# Altium PCB BASE_V1_1.PcbDoc (part 2 of 2)
Units mm, origin at the board's own origin, x right, y up, seen from the top; angles counter-clockwise.
Board outline 93.01 x 71.01 mm, 2 copper layers (Top Layer, Bottom Layer); 138 components, 109 nets, 541 pads, 233 vias.
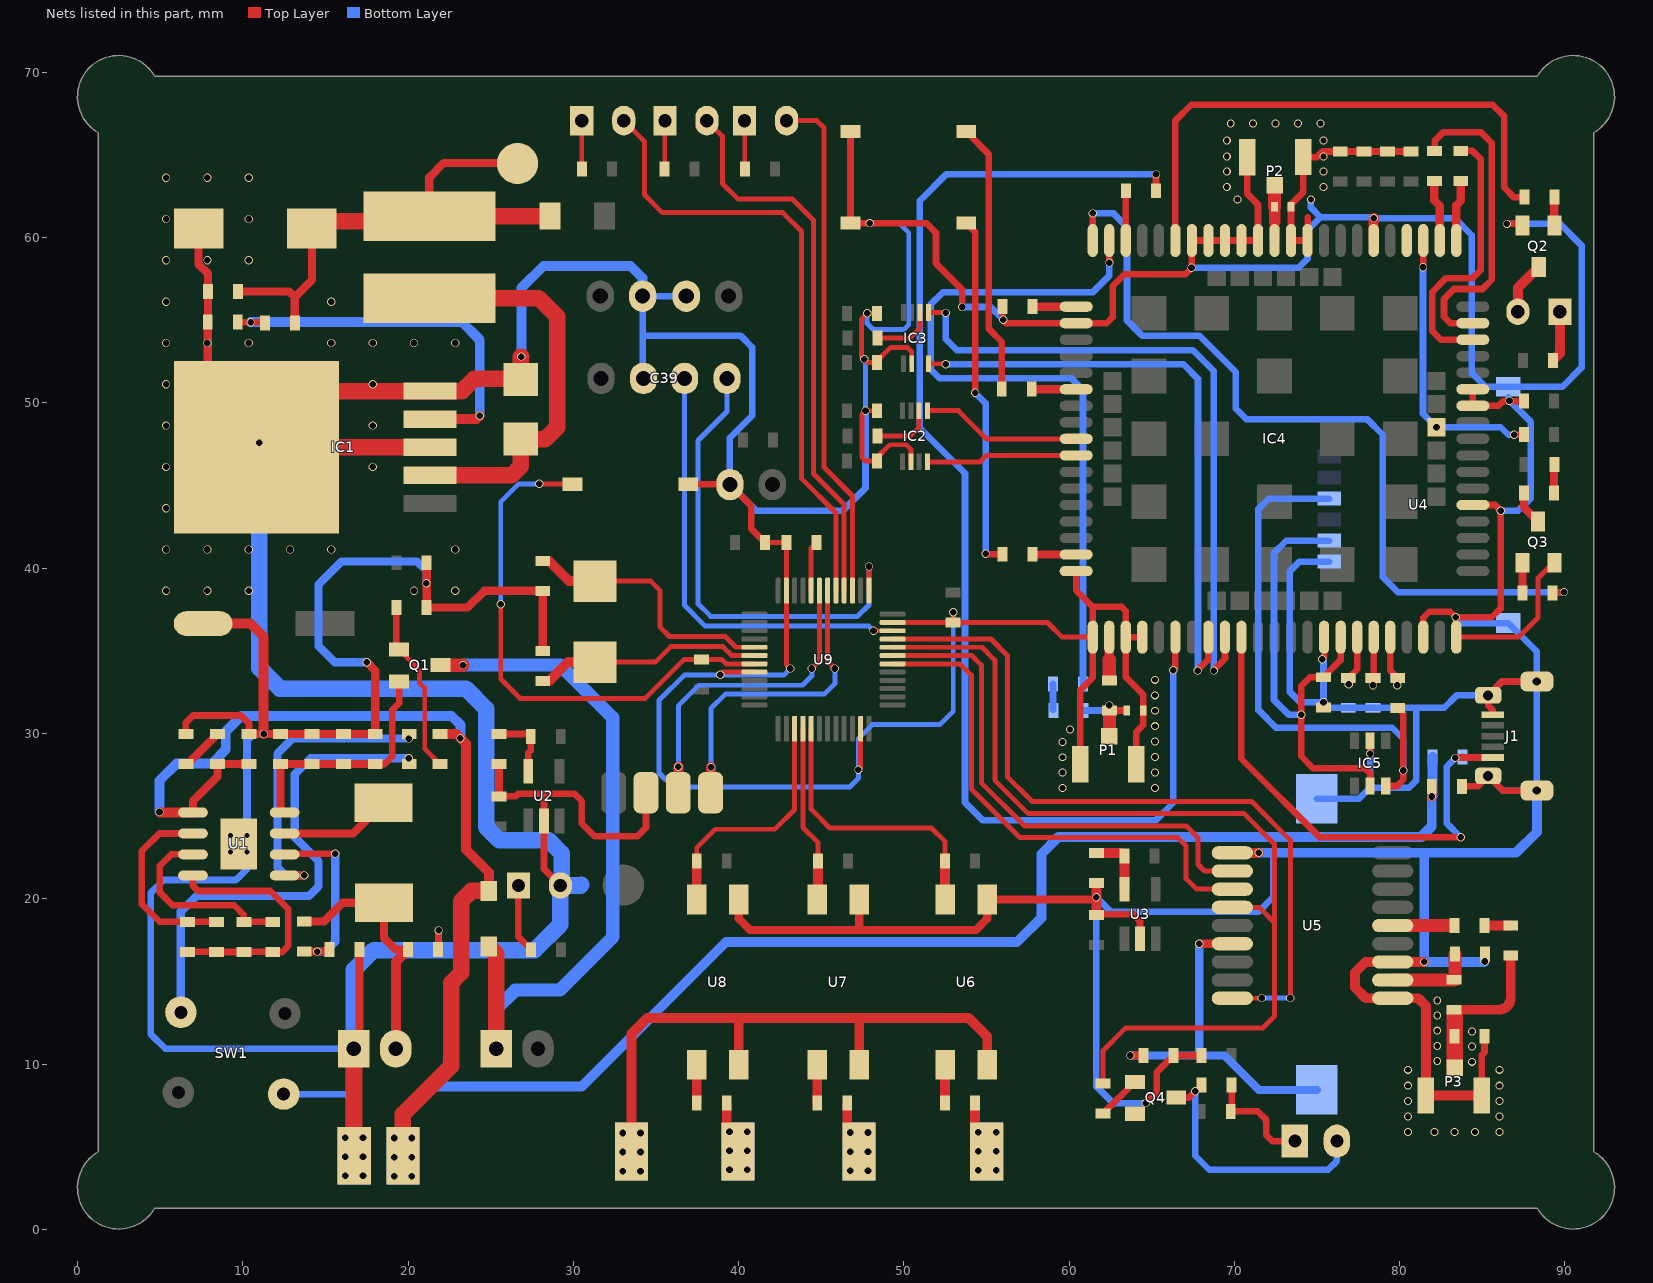
[diagram p2: the nets of this part, all layers, seen from the top]

## Via types
v1: diameter 0.5, hole 0.4, Top Layer to Bottom Layer, 173 vias
v2: diameter 0.483, hole 0.356, Top Layer to Bottom Layer, 49 vias
v3: diameter 3, hole 2.6, Top Layer to Bottom Layer, 4 vias
v4: diameter 0.61, hole 0.305, Top Layer to Bottom Layer, tented both sides, 4 vias
v5: diameter 0.8, hole 0.6, Top Layer to Bottom Layer, 1 vias
v6: diameter 1.5, hole 1.5, Top Layer to Bottom Layer, 1 vias
v7: diameter 1.3, hole 1.3, Top Layer to Bottom Layer, 1 vias

## Nets (pads, with @x,y where several pads share a name; then routed paths per layer and width w, separated by ;. In a path a pad name is that pad's centre, name@x,y a point inside that pad or via, vN(x,y) a via of type N, cw(c..) or ccw(c..) an arc to the next point about the centre after c; other vN are vias at no path point) (continued)
GND: BT1.2 C1.2 C2.2 C3.2 C4.2 C5.2 C6.2 C7.1 C8.1 C9.1 C10.1 C11.1 C12.1 C13.2 C14.2 C15.2 C16.2 C17.1 C18.1 C19.1 C20.1 C21.1 C23.1 C24.1 C25.1 C26.1 C27.1 C28.1 C29.1 C30.1 C31.1 C32.1 C33.1 C34.1 C35.1 C36.1 C37.1 C38.1 C39.3 C40.2 C41.1 C42.2 D6.2@29.21,20.803 D7.1 D8.2 D9.2 IC1.3 IC1.5 IC1.6 IC2.2 IC3.2 IC4.2 IC4.17 IC4.18 IC4.29 IC4.39 IC4.45 IC4.46 IC4.54 IC4.58 IC4.59 IC4.61 IC4.62 IC4.63 IC4.64 IC4.65 IC4.89 IC4.91 IC4.92 IC4.94 IC5.2 J1.5 JP2.1 P1.2 P1.3 P2.2 P2.3 P3.2 P3.3 pad.2@16.739,4.445 pad.3@34.392,26.416 Q2.2 Q3.2 Q4.2 R4.1 R8.1 R13.1 R38.2 S1.1 S2.1 S3.1 S4.1 SW1.2 U1.9 U2.2 U3.2 U4.5 U4.8 U5.1 U5.10 U5.12 U6.3 U7.3 U8.3 U9.8 U9.23 U9.35 U9.47 | length 768
  Top Layer w0.3: v1(38.887,33.553) 39.052,33.718 U9.8@40.956,33.718 ; C37.1@41.592,41.555 R38.2@42.888,41.554 42.886,41.552 U9.47@42.886,38.648 42.886,34.178 v1(43.129,33.934) ; v1(47.244,27.813) 47.386,27.955 U9.23@47.386,30.288 ; C17.1@48.374,49.53 v1(47.676,49.53) 47.473,49.327 47.473,46.685 47.676,46.482 C18.1@48.374,46.482 48.374,46.698 49.149,47.473 50.14,47.473 50.423,47.189 IC2.2@50.423,46.431 ; C20.1@48.374,55.423 v1(47.778,55.423) 47.422,55.067 47.422,52.832 v1(47.6,52.654) 47.803,52.451 C21.1@48.374,52.451 48.374,52.54 49.2,53.365 50.19,53.365 50.474,53.082 IC3.2@50.474,52.374 ; U9.35@49.316,36.718 52.936,36.718 52.984,36.767 v1(52.984,37.338) ; C38.1@52.959,36.716 58.686,36.716 59.574,35.828 IC4.89@61.425,35.828 ; IC4.94@83.425,35.828 87.187,35.828 88.367,37.008 88.367,39.395 89.301,40.33 Q3.2@89.352,40.33
  Top Layer w0.4: C1.2@6.553,29.972 6.553,30.658 6.985,31.09 9.881,31.09 10.372,30.599 C2.2@10.372,29.972 ; C9.1@21.819,16.929 21.819,18.06 v1(21.844,18.085) ; C7.1@25.501,26.197 26.502,26.197 26.67,26.365 28.219,26.365 ; D6.2@29.21,20.803 28.219,21.793 U2.2@28.219,24.713 28.219,26.365 ; pad.3@34.392,26.416 34.392,24.308 33.858,23.774 31.293,23.774 30.505,24.562 30.505,25.908 30.048,26.365 28.219,26.365 ; S3.1@36.952,45.085 39.446,45.085 S4.1@39.472,45.06 40.767,43.764 40.767,42.38 C37.1@41.592,41.555 ; S2.1@46.767,66.421 S1.1@46.767,60.884 v1(47.93,60.884) 51.354,60.884 51.943,60.294 51.943,58.445 53.518,56.871 v1(53.518,55.804) ; v1@55.956,55.042 R13.1@55.956,55.829 ; 56.17,54.828 IC4.2@60.425,54.828 62.27,54.828 62.636,55.194 62.636,57.074 63.348,57.785 67.031,57.785 67.425,58.18 IC4.65@67.425,59.828 IC4.64@68.425,59.828 IC4.63@69.425,59.828 IC4.62@70.425,59.828 IC4.61@71.425,59.828 71.425,62.001 70.783,62.643 P2.2@70.783,64.875 ; IC4.17@60.425,39.828 60.425,38.66 61.425,37.66 ; P1.3@60.678,28.135 60.678,32.637 61.425,33.384 IC4.89@61.425,35.828 61.425,37.66 ; C12.1@61.646,19.062 63.869,19.062 64.287,18.644 U3.2@64.287,17.575 ; P1.2@64.066,28.14 64.066,30.106 64.483,30.523 D8.2@64.483,31.395 64.483,32.355 63.425,33.412 IC4.91@63.425,35.828 ; IC4.18@64.425,35.828 IC4.91@63.425,35.828 ; v1(64.625,7.638) 65.303,8.316 65.303,9.513 C36.1@66.306,10.516 C35.1@68.009,10.515 ; 74.425,61.239 IC4.58@74.425,59.828 IC4.59@73.425,59.828 73.423,59.83 D9.2@73.423,61.875 73.423,62.019 74.17,62.766 P2.3@74.17,64.88 75.002,64.88 75.336,65.214 C25.1@76.403,65.214 C26.1@77.831,65.214 C27.1@79.258,65.214 C24.1@80.686,65.214 ; v1(75.311,34.493) 75.425,34.608 IC4.29@75.425,35.828 ; v1(78.207,28.778) IC5.2@78.207,29.566 ; IC4.92@81.425,35.828 81.425,37.001 81.788,37.363 83.053,37.363 83.386,37.031 85.57,37.031 86.106,37.567 v1(86.106,43.485) 85.763,43.828 IC4.39@84.425,43.828 ; IC4.94@83.425,35.828 v1@83.425,36.991 ; C23.1@83.756,26.797 84.717,26.797 J1.5@85.352,27.432 86.239,26.545 J1.5@88.298,26.545 ; IC4.46@84.425,50.828 IC4.45@84.425,49.828 85.978,49.828 86.264,50.114 C28.1@87.516,50.114 ; P3.2@84.97,8.1 84.97,10.548 85.128,10.706 C33.1@85.128,11.684 ; J1.5@85.623,31.145 85.623,31.413 85.352,31.684 J1.5@85.352,32.309 86.188,33.145 J1.5@88.298,33.145 ; v1(86.487,60.833) 87.336,60.833 Q2.2@87.432,60.737 ; 61.425,37.66 63.178,37.66 63.425,37.413 IC4.91@63.425,35.828
  Top Layer w0.5: C15.2@7.32,60.554 7.32,58.389 7.887,57.823 C16.2@7.887,56.744 7.887,54.902 R8.1@7.874,54.889 7.874,50.267 IC1.6@10.82,47.32 ; C2.2@10.372,29.972 v1(11.252,29.972) C3.2@12.281,29.972 C4.2@14.19,29.972 C5.2@16.099,29.972 C6.2@18.009,29.972 18.009,33.81 v1(17.501,34.318) ; JP2.1@16.713,10.922 17.056,11.265 C10.1@17.056,16.929 ; C13.2@21.123,40.335 21.123,37.633 R4.1@21.107,37.617 23.597,37.617 24.613,38.633 28.131,38.633 C40.2@28.143,38.621 C42.2@28.143,35.001 ; C7.1@25.501,26.197 C8.1@25.501,28.156 ; U8.3@40.005,19.957 40.005,18.796 40.691,18.11 47.168,18.11 ; U7.3@47.295,19.957 47.295,18.237 47.168,18.11 ; v1(61.646,20.091) 61.511,19.957 U6.3@55.042,19.957 55.042,18.796 54.356,18.11 47.168,18.11
  Top Layer w0.6: C14.2@7.598,36.652 10.465,36.652 11.252,35.865 v1(11.252,29.972) ; C12.1@61.646,19.012 61.646,19.062 v1(61.646,20.091) C11.1@61.646,20.943 ; U5.1@69.875,22.78 71.268,22.78 71.272,22.784 v1(71.476,22.784) ; IC4.54@78.425,59.828 78.425,61.179 v1(78.435,61.189) ; v1(81.483,16.18) U5.12@79.575,16.18 77.927,16.18 77.292,15.545 77.292,14.63 77.943,13.98 U5.10@79.575,13.98 81.118,13.98 81.582,13.515 P3.3@81.582,8.095 84.965,8.095 P3.2@84.97,8.1
  Top Layer w1: IC1.6@10.998,47.32 IC1.3@21.32,47.32 ; IC1.6@11.049,47.549 14.22,50.72 IC1.5@21.32,50.72 23.263,50.72 24.003,51.46 26.789,51.46 D7.1@26.822,51.427 26.822,52.781 v1(26.848,52.807) ; JP2.1@16.713,10.922 16.739,10.897 pad.2@16.739,4.445
  Bottom Layer w0.3: v1(43.129,33.934) 42.748,33.553 v1(38.887,33.553) 36.728,33.553 35.179,32.004 35.179,27.61 36.017,26.772 46.736,26.772 47.244,27.28 v1(47.244,27.813) 47.244,29.693 48.082,30.531 52.172,30.531 52.984,31.344 v1@52.984,37.16 ; v1(47.6,52.654) 47.676,52.578 v1(47.676,49.53) ; v1(47.778,55.423) 47.778,54.813 48.158,54.432 49.987,54.432 50.292,54.737 50.292,60.3 49.708,60.884 v1(47.93,60.884)
  Bottom Layer w0.4: v4(10.253,22.817) 10.253,21.81 9.576,21.133 5.207,21.133 4.42,20.345 4.42,11.811 5.309,10.922 JP2.1@16.713,10.922 ; SW1.2@12.471,8.179 16.713,8.179 ; 21.717,16.891 21.844,17.018 v1(21.844,18.085) ; C39.3@34.239,51.486 34.188,51.537 34.188,54.077 ; C19.1@36.754,56.464 C41.1@34.188,56.464 34.188,54.077 ; v1(47.676,49.53) 47.676,44.857 46.304,43.485 41.046,43.485 S4.1@39.472,45.06 39.472,47.893 40.818,49.239 40.818,53.365 40.107,54.077 34.188,54.077 ; v1(53.518,55.804) 55.245,55.804 v1(56.007,55.042) ; v1(61.646,20.091) 61.646,8.636 62.644,7.638 v1(64.625,7.638) ; 61.849,19.888 62.535,19.202 71.45,19.202 72.339,20.091 72.339,22.784 ; v1(67.4,58.18) 73.877,58.18 74.422,58.725 74.422,60.452 75.209,61.239 ; v2(74.625,62.306) 74.625,61.824 75.209,61.239 ; BT1.2@74.981,26.06 77.546,26.06 78.207,26.721 ; v1(75.311,34.493) 75.387,34.417 v1(75.387,31.902) ; U4.5@75.738,40.398 73.926,40.398 73.355,39.827 73.355,32.512 73.965,31.902 v1(75.387,31.902) ; v1(78.207,28.778) 78.207,26.721 ; v1(83.388,37.033) 83.743,36.678 U4.8@86.568,36.678 88.298,34.948 J1.5@88.298,33.145 ; J1.5@85.352,27.432 86.239,26.545 J1.5@88.298,26.545 J1.5@88.298,33.145 ; v1(86.106,43.485) 87.173,43.485 87.935,44.247 87.935,48.844 v1(86.639,50.14) 86.568,50.211 v1@86.568,50.338 ; v1(86.487,60.833) 89.713,60.833 91.008,59.538 91.008,52.146 89.84,50.978 U4.8@86.568,50.978 85.191,50.978 84.353,51.816 84.353,60.147 83.312,61.189 v1(78.435,61.189) 78.384,61.239 75.209,61.239 ; v1(75.387,31.902) 75.73,31.56 C31.1@76.886,31.56 C29.1@78.384,31.56 C30.1@79.883,31.56 81.001,31.56 ; 78.207,26.721 80.569,26.721 81.001,27.153 81.001,31.56 ; 81.001,31.56 82.69,31.56 83.439,32.309 J1.5@85.352,32.309 86.188,33.145 J1.5@88.298,33.145
  Bottom Layer w0.5: v4(10.253,23.817) 10.253,29.608 10.617,29.972 v1(11.252,29.972) ; v1(17.501,34.318) 15.543,34.318 14.58,35.281 14.58,39.014 15.977,40.411 20.549,40.411 21.107,39.853 v1(21.107,39.091)
  Bottom Layer w0.6: v1(26.848,52.807) 26.848,56.947 28.194,58.293 33.452,58.293 34.188,57.556 C41.1@34.188,56.464 ; v1(71.476,22.784) 72.339,22.784 81.509,22.784 ; v1(85.141,16.205) 85.115,16.18 v1(81.483,16.18) 81.483,22.758 81.509,22.784 ; J1.5@88.298,26.545 88.298,24.036 87.046,22.784 81.509,22.784
  Bottom Layer w1: v1(10.998,47.6) 10.998,33.96 12.243,32.715 23.495,32.715 24.714,31.496 24.714,24.333 25.502,23.546 28.499,23.546 29.286,22.758 29.286,22.174 29.286,20.879 D6.2@29.21,20.803 ; pad.2@16.739,4.445 16.713,4.47 16.713,8.179 JP2.1@16.713,10.922 16.713,15.697 17.907,16.891 21.717,16.891 27.661,16.891 29.21,18.44 29.21,19.406 D6.2@29.21,20.803 ; 30.48,20.853 30.429,20.803 D6.2@29.21,20.803
  other v1: 16.205,3.238 17.272,3.238 16.205,4.394 17.272,4.394 16.205,5.55 17.272,5.55 5.354,38.63 7.854,38.63 10.354,38.63 20.354,38.63 22.854,38.63 5.354,41.13 7.854,41.13 10.354,41.13 12.854,41.13 15.354,41.13 22.854,41.13 5.354,43.63 5.354,46.13 17.854,46.13 5.354,48.63 17.854,48.63 5.354,51.13 17.854,51.13 5.354,53.63 7.854,53.63 10.354,53.63 15.354,53.63 17.854,53.63 20.354,53.63 22.854,53.63 5.354,56.13 15.354,56.13 5.354,58.63 7.854,58.63 10.354,58.63 5.354,61.13 10.354,61.13 5.354,63.63 7.854,63.63 10.354,63.63
  other v2: 80.508,5.893 82.099,5.893 83.325,5.893 84.55,5.893 86.03,5.893 80.508,6.833 86.03,6.833 80.508,7.76 86.03,7.76 80.508,8.687 86.03,8.687 80.508,9.652 86.03,9.652 84.379,10.135 82.271,10.185 84.379,11.049 82.271,11.1 84.379,11.963 82.271,12.014 82.271,12.929 82.271,13.843 59.588,26.695 65.202,26.697 59.588,27.635 65.202,27.633 59.588,28.562 65.202,28.569 59.588,29.489 65.202,29.505 60.046,30.251 65.202,30.441 65.202,31.377 65.202,32.313 65.202,33.249 70.18,62.306 69.535,63.068 75.377,63.068 69.535,63.995 75.377,63.995 69.535,64.922 75.377,64.922 69.535,65.888 75.377,65.888 69.776,66.904 71.131,66.904 72.486,66.904 73.842,66.904 75.197,66.904
  other v4: 9.253,22.817 9.253,23.817
GPS_BKP: BT1.1 C36.2 U5.6 | length 21.7
  Top Layer w0.5: v1(63.703,10.516) C36.2@64.491,10.516 ; v1(67.869,17.28) U5.6@69.875,17.28
  Bottom Layer w0.5: v1(63.703,10.516) 67.869,10.516 ; v1(67.869,17.28) 67.869,10.516 ; BT1.1@74.981,8.433 71.476,8.433 69.393,10.516 67.869,10.516
GPS_PPS: R36.1 U5.4 U9.32 | length 58.9
  Top Layer w0.3: U9.32@49.316,35.218 54.724,35.218 55.499,34.442 55.499,27.178 57.531,25.146 70.587,25.146 72.415,23.317 72.415,18.567 ; R36.1@62.052,8.814 62.052,10.82 63.424,12.192 71.73,12.192 72.415,12.878 72.415,18.567 ; U5.4@69.875,19.48 71.503,19.48 72.415,18.567
GPS_RST: U5.9 U9.33 | length 46.5
  Top Layer w0.3: U9.33@49.316,35.718 55.265,35.718 56.261,34.722 56.261,27.381 57.76,25.883 71.044,25.883 73.381,23.546 v1(73.381,13.995) ; U5.9@69.875,13.98 71.638,13.98 v1(71.653,13.995)
  Bottom Layer w0.3: v1(71.653,13.995) v1(73.381,13.995)
GPS_RX: U5.3 U9.30 | length 31.4
  Top Layer w0.3: U9.30@49.316,34.218 53.387,34.218 54.077,33.528 54.077,26.645 57.023,23.698 66.573,23.698 67.081,23.19 67.081,21.209 67.711,20.58 U5.3@69.875,20.58
GPS_TX: U5.2 U9.31 | length 31.1
  Top Layer w0.3: U9.31@49.316,34.718 54.106,34.718 54.686,34.138 54.686,27.019 57.296,24.409 67.081,24.409 67.793,23.698 67.793,22.073 68.185,21.68 U5.2@69.875,21.68
I2C_SCL: pad.3@38.303,26.416 U9.42 | length 19
  Top Layer w0.3: U9.42@45.386,38.648 45.386,34.37 v1(45.822,33.934)
  Top Layer w0.6: pad.3@38.303,26.416 38.329,26.441 v1(38.329,27.965)
  Bottom Layer w0.3: v1(38.329,27.965) 38.329,31.521 39.192,32.385 45.187,32.385 45.822,33.02 v1(45.822,33.934)
I2C_SDA: pad.3@36.347,26.416 U9.43 | length 19.4
  Top Layer w0.3: v1(44.425,33.934) 44.886,34.396 U9.43@44.886,38.648
  Top Layer w0.6: pad.3@36.347,26.416 v1(36.347,27.991)
  Bottom Layer w0.3: v1(36.347,27.991) 36.347,31.674 37.592,32.918 43.866,32.918 44.425,33.477 v1(44.425,33.934)
L1: R27.1 U6.4 U9.17 | length 17.3
  Top Layer w0.3: U9.17@44.386,30.288 44.386,25.413 45.517,24.282 51.664,24.282 52.476,23.47 R27.1@52.476,22.276
  Top Layer w0.5: U6.4@52.476,19.982 U6.4@52.502,19.957
  Top Layer w0.6: U6.4@52.476,19.982 R27.1@52.476,22.276
L1_IN: pad.2@54.991,4.699 pad.2@55.016,4.699 R28.2 | length 3.2
  Top Layer w0.6: R28.2@54.292,7.646 54.292,5.398 pad.2@54.991,4.699
  other v1: 54.508,3.569 55.575,3.569 54.508,4.724 55.575,4.724 54.508,5.88 55.575,5.88
L2: R30.1 U7.4 U9.16 | length 10.7
  Top Layer w0.3: U9.16@43.886,30.288 43.886,24.313 44.806,23.393 R30.1@44.806,22.276
  Top Layer w0.5: U7.4@44.755,19.957 U7.4@44.806,20.008
  Top Layer w0.6: U7.4@44.806,20.008 R30.1@44.806,22.276
L2_IN: pad.2@47.282,4.699 pad.2@47.295,4.699 R31.2 | length 3.2
  Top Layer w0.6: R31.2@46.571,7.646 46.571,5.41 pad.2@47.282,4.699
  other v1: 46.761,3.543 47.828,3.543 46.761,4.699 47.828,4.699 46.761,5.855 47.828,5.855
L3: R33.1 U8.4 U9.15 | length 14.9
  Top Layer w0.3: R33.1@37.465,22.276 37.465,23.089 38.583,24.206 42.189,24.206 43.386,25.403 U9.15@43.386,30.288
  Top Layer w0.6: U8.4@37.465,19.957 R33.1@37.465,22.276
L3_IN: pad.2@39.954,4.699 R34.2 | length 3.2
  Top Layer w0.6: R34.2@39.281,7.646 39.281,5.372 pad.2@39.954,4.699
  other v1: 39.446,3.594 40.513,3.594 39.446,4.75 40.513,4.75 39.446,5.905 40.513,5.905
LED0: D15.2 U9.41 | length 38
  Top Layer w0.3: D15.2@33.045,67.081 34.29,65.837 34.29,62.611 35.382,61.519 42.672,61.519 43.815,60.376 43.815,45.415 45.886,43.344 U9.41@45.886,38.648
LED1: D14.2 U9.40 | length 33.8
  Top Layer w0.3: D14.2@38.075,67.081 39.014,66.142 39.014,63.284 39.967,62.332 43.256,62.332 44.526,61.062 44.526,45.72 46.386,43.86 U9.40@46.386,38.648
LED2: D13.2@42.901,67.081 U9.39 | length 31.2
  Top Layer w0.3: D13.2@42.901,67.081 44.729,67.081 45.161,66.65 45.161,46.101 46.888,44.374 46.886,44.371 U9.39@46.886,38.648
LOG_RX: IC3.4 IC4.22 | length 36.6
  Top Layer w0.3: IC3.4@51.474,52.374 52.502,52.374 v1(52.527,52.349)
  Top Layer w0.4: v1@67.767,33.833 68.425,34.491 IC4.22@68.425,35.828
  Bottom Layer w0.4: v1(52.527,52.349) 66.904,52.349 67.793,51.46 v1@67.793,33.781
  other v1: 67.767,33.807
LOG_TX: IC3.5 IC4.23 | length 40
  Top Layer w0.3: IC3.5@51.474,55.474 v1@52.501,55.474
  Top Layer w0.4: v1@52.501,55.474 v1(52.527,55.448) ; v1@68.758,33.858 69.425,34.526 IC4.23@69.425,35.828
  Bottom Layer w0.4: v1(52.527,55.448) 52.527,53.873 53.213,53.188 67.488,53.188 68.758,51.918 v1(68.758,33.807)
NET: IC4.52
NetC1_1: C1.1 R1.2 | length 2.7
  Top Layer w0.5: C1.1@6.553,28.156 6.647,28.156 R1.2@8.462,29.972
NetC3_1: C3.1 C4.1 C5.1 C6.1 Q1.2 U1.8 | length 14.7
  Top Layer w0.4: C6.1@18.009,28.156 18.58,28.156 19.05,28.626 19.05,31.425 19.451,31.826 Q1.2@19.451,33.152
  Top Layer w0.5: U1.8@12.526,25.222 12.281,25.467 C3.1@12.281,28.156 C4.1@14.19,28.156 C5.1@16.099,28.156 C6.1@18.009,28.156
NetC8_2: C8.2 FB1.2 U2.5 | length 4.1
  Top Layer w0.4: C8.2@25.501,29.972 27.256,29.972 FB1.2@27.421,29.807 27.421,28.97 27.269,28.819 U2.5@27.269,27.713
NetC10_2: C10.2 R2.1 U1.6 | length 11.3
  Top Layer w0.4: U1.6@12.526,22.682 12.577,22.733 v1(15.596,22.733)
  Top Layer w0.5: R2.1@13.716,16.802 v1(14.503,16.802) 15.113,16.802 C10.2@15.24,16.929
  Bottom Layer w0.5: v1(14.503,16.802) 14.999,16.802 15.596,17.399 v1(15.596,22.733)
NetC11_2: C11.2 FB2.2 U3.5 | length 3.8
  Top Layer w0.6: C11.2@61.646,22.758 63.171,22.758 FB2.2@63.336,22.593 63.337,22.592 U3.5@63.337,20.575
NetC15_1: C15.1 C16.1 FB3.2 L2.2 pad.4@26.619,64.491 R7.2 | length 32.7
  Top Layer w0.5: C16.1@9.703,56.744 12.801,56.744 13.144,56.401 ; R7.2@13.144,54.839 13.144,56.401 ; C15.1@14.178,60.554 14.178,57.435 13.144,56.401 ; L2.2@21.285,61.29 21.285,63.652 22.149,64.516 pad.4@26.797,64.516
  Top Layer w1: C15.1@14.178,60.554 14.61,60.985 20.98,60.985 L2.2@21.285,61.29 28.55,61.29 FB3.2@28.575,61.316
NetC22_1: C22.1 IC4.90 | length 2.3
  Top Layer w0.6: 62.425,34.468 IC4.90@62.425,35.828
  Top Layer w0.8: 62.425,34.468 62.425,33.536 62.433,33.528
NetC22_2: C22.2 D8.1 L3.1 P1.1 | length 4.5
  Top Layer w0.4: v1(62.433,31.699) C22.2@62.433,31.394 D8.1@63.483,31.395
  Top Layer w0.8: P1.1@62.418,29.828 P1.1@62.433,29.844 ; P1.1@62.433,29.793 P1.1@62.433,29.844 ; C22.2@62.433,31.193 P1.1@62.433,29.844
  Bottom Layer w0.4: L3.1@60.859,31.394 62.128,31.394 v1(62.433,31.699)
NetC29_2: C29.2 IC4.32 R24.1 | length 3
  Top Layer w0.4: R24.1@78.384,33.35 78.425,33.391 IC4.32@78.425,35.828
  Bottom Layer w0.4: v1(78.384,32.918) C29.2@78.384,33.376
NetC30_2: C30.2 IC4.33 R23.1 | length 3.1
  Top Layer w0.4: IC4.33@79.425,35.828 79.425,33.808 R23.1@79.883,33.35
  Bottom Layer w0.4: v1(79.858,32.918) 79.858,33.35 C30.2@79.883,33.376
NetC31_2: C31.2 IC4.31 R22.1 | length 3.1
  Top Layer w0.4: v1(76.911,32.969) 76.911,33.325 R22.1@76.886,33.35 77.425,33.89 IC4.31@77.425,35.828
NetC33_2: C33.2 L4.1 P3.1 R29.1 | length 9.7
  Top Layer w0.6: R29.1@83.312,13.284 86.004,13.284 ccw(c86.004,13.996) 86.716,13.996 L4.1@86.716,16.574
  Top Layer w0.8: P3.1@83.297,9.788 P3.1@83.312,9.803 ; R29.1@83.312,13.081 R29.1@83.322,13.071
  Top Layer w1: P3.1@83.322,9.788 R29.1@83.322,13.071
NetC34_2: C34.2 R29.2 U5.11 | length 5.3
  Top Layer w0.8: U5.11@79.575,15.08 R29.2@83.312,15.08 ; R29.2@83.286,15.1 ccw(c83.286,15.151) 83.337,15.151 C34.2@83.337,16.662
NetC40_1: C40.1 U9.5 X1.2 | length 16.3
  Top Layer w0.3: X1.2@31.318,39.218 34.671,39.218 35.23,38.659 35.23,36.449 35.814,35.865 39.192,35.865 39.839,35.218 U9.5@40.956,35.218
  Top Layer w0.6: C40.1@28.143,40.437 28.524,40.437 29.743,39.218 X1.2@31.318,39.218
NetC42_1: C42.1 U9.6 X1.1 | length 13.9
  Top Layer w0.3: X1.1@31.318,34.318 31.32,34.315 34.95,34.315 35.89,35.255 39.04,35.255 39.577,34.718 U9.6@40.956,34.718
  Top Layer w0.6: C42.1@28.143,33.185 28.537,33.185 29.669,34.318 X1.1@31.318,34.318
NetD1_2: D1.2 Q1.3 SW.1 | length 42.7
  Top Layer w0.8: Q1.3@21.951,34.132 23.312,34.132 v1(23.317,34.138)
  Top Layer w1: D1.2@24.892,17.116 25.324,16.684 SW.1@25.324,10.922
  Bottom Layer w0.8: v1(23.317,34.138) 29.21,34.138 32.385,30.963 32.385,17.678 29.185,14.478 26.467,14.478 25.324,13.335 SW.1@25.324,10.922
NetD2_1: D2.1 D3.2 U1.2 | length 11.7
  Top Layer w0.4: U1.2@6.981,23.952 4.953,23.952 3.886,22.885 3.886,19.685 4.966,18.605 D2.1@6.655,18.605 8.394,18.605 D3.2@8.407,18.592
NetD2_2: D2.2 D3.1 D4.1 D6.2@10.058,16.789 U1.4 | length 15.5
  Top Layer w0.4: D2.2@6.655,16.789 8.395,16.789 D3.1@8.408,16.777 10.045,16.777 D6.2@10.058,16.789 11.798,16.789 D4.1@11.811,16.777 12.382,16.777 12.751,17.145 12.751,19.38 11.659,20.472 7.29,20.472 6.981,20.781 U1.4@6.981,21.412
NetD4_2: D4.2 D6.1@10.058,18.605 U1.3 | length 11.7
  Top Layer w0.4: U1.3@6.981,22.682 5.664,22.682 4.978,21.996 4.978,20.371 5.74,19.609 9.474,19.609 10.058,19.025 D6.1@10.058,18.605 11.798,18.605 D4.2@11.811,18.592
NetD6_1: D6.1@26.67,20.803 R3.2 | length 4.2
  Top Layer w0.4: D6.1@26.67,20.803 26.67,17.692 R3.2@27.446,16.916
NetD7_2: D7.2 IC1.2 L2.1 | length 24.8
  Top Layer w1: L2.1@21.285,56.337 27.915,56.337 29.032,55.22 29.032,48.539 28.308,47.816 D7.2@26.822,47.816 26.822,46.177 26.265,45.62 IC1.2@21.32,45.62
NetD9_1: D9.1 IC4.60 P2.1 | length 3.4
  Top Layer w0.6: IC4.60@72.425,59.828 72.425,60.96
  Top Layer w0.7: D9.1@72.423,61.875 72.425,61.872 72.425,60.96
  Top Layer w0.8: D9.1@72.423,61.875 72.423,63.179 P2.1@72.431,63.187
NetD10_1: D10.1 R20.1 | length 3.1
  Top Layer w0.6: R20.1@89.281,52.578 89.687,52.984 D10.1@89.687,55.524
NetD10_2: D10.2 Q2.3 | length 3.2
  Top Layer w0.6: D10.2@87.147,55.524 87.147,56.972 Q2.3@88.412,58.237
NetD11_1: D11.1 R25.1 | length 1.7
  Top Layer w0.5: D11.1@89.332,44.552 89.332,46.253 R25.1@89.357,46.279
NetD12_1: D12.1 D13.1@73.66,5.334 R35.1 | length 6.8
  Top Layer w0.4: D12.1@69.825,8.738 69.825,7.188 R35.1@69.774,7.137 71.399,7.137 71.933,6.604 71.933,5.69 72.288,5.334 D13.1@73.66,5.334
NetD12_2: D12.2 D13.2@76.2,5.334 Q4.3 | length 15.5
  Top Layer w0.4: Q4.3@66.477,7.97 67.254,7.97 v1(67.631,8.348)
  Bottom Layer w0.4: v1(67.631,8.348) 67.631,4.454 68.478,3.607 75.667,3.607 76.2,4.14 D13.2@76.2,5.334
NetD13_1: D13.1@40.361,67.081 R39.2 | length 2.9
  Top Layer w0.254: D13.1@40.361,67.081 40.374,67.068 R39.2@40.374,64.16
NetD14_1: D14.1 R40.2 | length 2.9
  Top Layer w0.254: R40.2@35.522,64.16 35.522,67.069 D14.1@35.535,67.081
NetD15_1: D15.1 R41.2 | length 2.9
  Top Layer w0.254: D15.1@30.505,67.081 30.505,64.173 R41.2@30.518,64.16
NetIC1_4: IC1.4 R7.1 R8.2 | length 23.6
  Top Layer w0.4: R8.2@9.741,54.89 v1(10.465,54.89) 11.277,54.89 R7.1@11.328,54.839
  Top Layer w0.6: IC1.4@21.32,49.02 24.128,49.02 v1(24.333,49.225)
  Bottom Layer w0.6: v1(10.465,54.89) 23.266,54.89 24.333,53.823 v1(24.333,49.225)
NetIC2_6: IC2.6 R9.2 | length 3.7
  Top Layer w0.3: R9.2@48.412,48.006 50.39,48.006 50.923,48.539 IC2.6@50.923,49.531
NetIC3_6: IC3.6 R10.2 | length 3.8
  Top Layer w0.3: R10.2@48.399,53.937 50.381,53.937 50.974,54.53 IC3.6@50.974,55.474
NetIC4_1: IC4.1 R13.2 | length 2.7
  Top Layer w0.5: R13.2@57.772,55.829 R13.2@57.772,55.829 IC4.1@60.425,55.828
NetIC4_6: IC4.6 R18.1 | length 2.7
  Top Layer w0.5: R18.1@57.734,50.876 57.782,50.828 IC4.6@60.425,50.828
NetIC4_16: IC4.16 R15.2 | length 2.7
  Top Layer w0.5: R15.2@57.772,40.843 57.787,40.828 IC4.16@60.425,40.828
NetIC4_20: IC4.20 R19.1 | length 77.1
  Top Layer w0.4: R19.1@65.253,62.84 v1(65.253,63.83) ; v1(66.294,33.833) 66.425,33.964 IC4.20@66.425,35.828
  Bottom Layer w0.4: v1(65.253,63.83) 52.553,63.83 50.952,62.23 50.952,48.489 53.696,45.745 53.696,25.832 54.788,24.74 65.227,24.74 66.294,25.806 v1(66.294,33.833)
NetIC4_49: IC4.49 R14.2 | length 16.7
  Top Layer w0.4: R14.2@83.693,65.252 84.405,65.252 84.912,64.745 84.912,58.064 84.404,57.556 82.804,57.556 81.966,56.718 81.966,54.356 82.494,53.828 IC4.49@84.425,53.828
NetIC4_50: IC4.50 R12.2 | length 19.2
  Top Layer w0.4: R12.2@82.113,65.252 82.113,65.857 82.626,66.37 84.938,66.37 85.573,65.735 85.573,57.455 85.014,56.896 83.287,56.896 82.677,56.286 82.677,55.22 83.068,54.828 IC4.50@84.425,54.828
NetIC4_95: IC4.95 R14.1 | length 3.7
  Top Layer w0.5: IC4.95@83.425,59.828 83.425,61.962 83.693,62.23 R14.1@83.693,63.436
NetIC4_96: IC4.96 R12.1 | length 3.8
  Top Layer w0.5: R12.1@82.113,63.436 82.093,63.416 82.093,62.25 82.425,61.918 IC4.96@82.425,59.828
NetIC4_97: IC4.97 IC4.116 R17.1 | length 17.1
  Top Layer w0.4: v1(81.407,58.217) 81.425,58.235 IC4.97@81.425,59.828 ; v1(86.919,48.082) R17.1@87.528,48.082
  Bottom Layer w0.4: v1(81.407,58.217) 81.407,49.347 v1(82.225,48.528) 86.117,48.528 86.563,48.082 v1(86.919,48.082)
NetIC4_98: IC4.98 R19.2 | length 3
  Top Layer w0.4: IC4.98@63.425,59.828 63.425,62.828 R19.2@63.437,62.839
NetIC4_99: IC4.99 R11.1 | length 45.1
  Top Layer w0.4: IC4.99@62.425,59.828 62.425,58.504 v1(62.433,58.496)
  Bottom Layer w0.4: R11.1@60.833,32.995 60.833,50.8 60.147,51.486 52.172,51.486 51.613,52.045 51.613,55.956 52.349,56.693 61.417,56.693 62.433,57.709 v1(62.433,58.496)
NetL1_1: L1.1 U1.7 | length 6.8
  Top Layer w0.5: U1.7@12.526,23.952 16.662,23.952 L1.1@18.517,25.806
NetL3_2: L3.2 R11.2 | length 1.6
  Bottom Layer w0.4: L3.2@59.017,31.432 R11.2@59.017,32.995
NetL4_2: L4.2 R32.1 | length 1.3
  Top Layer w0.6: R32.1@85.395,18.39 L4.2@86.69,18.39
NetQ1_1: Q1.1 R4.2 R5.1 | length 10.6
  Top Layer w0.3: Q1.1@19.456,35.077 20.701,33.833 20.701,33.045 21.006,32.741 21.006,29.071 R5.1@21.921,28.156
  Top Layer w0.4: R4.2@19.292,37.617 19.292,35.242 Q1.1@19.456,35.077
NetQ2_1: Q2.1 R21.1 | length 1.7
  Top Layer w0.5: Q2.1@89.357,60.731 R21.1@89.357,62.459
NetQ3_1: Q3.1 R26.1 | length 1.8
  Top Layer w0.5: R26.1@87.427,38.506 Q3.1@87.427,40.335
NetQ4_1: Q4.1 R36.2 | length 2.7
  Top Layer w0.4: R36.2@62.052,6.998 63.97,8.915 Q4.1@63.983,8.915
NetR6_1: R6.1 SW1.1 | length 29.9
  Top Layer w0.5: v1(20.041,28.499) 20.041,28.182 R6.1@20.066,28.156
  Bottom Layer w0.5: SW1.1@6.248,13.132 6.248,19.228 7.188,20.168 13.995,20.168 14.58,20.752 14.58,22.276 13.132,23.724 13.132,27.534 14.097,28.499 v1@19.812,28.499
NetR6_2: R6.2 U1.5 | length 18
  Top Layer w0.5: U1.5@12.526,21.412 v1(13.716,21.412) ; R6.2@20.041,29.972 R6.2@20.066,29.972
  Bottom Layer w0.5: v1(13.716,21.412) 12.573,21.412 12.09,21.895 12.09,28.778 13.005,29.693 v1@19.812,29.693
  other v1: 20.041,29.693
NetR15_1: R15.1 S1.2 | length 21.3
  Top Layer w0.4: S1.2@53.767,60.884 54.305,60.345 v1@54.305,50.851 ; v1(54.94,40.869) 54.966,40.843 R15.1@55.956,40.843
  Bottom Layer w0.4: v1(54.305,50.622) 54.94,49.987 v1(54.94,40.869)
NetR18_2: R18.2 S2.2 | length 16.5
  Top Layer w0.4: S2.2@53.767,66.421 55.143,65.044 55.143,54.483 55.918,53.708 R18.2@55.918,50.851
NetR28_1: R28.1 U6.1 | length 2.3
  Top Layer w0.6: R28.1@52.476,7.645 52.476,9.931 U6.1@52.502,9.957
NetR31_1: R31.1 U7.1 | length 2.4
  Top Layer w0.6: R31.1@44.755,7.645 U7.1@44.755,9.957 U7.1@44.806,9.906
NetR32_2: R32.2 U5.14 | length 3.5
  Top Layer w0.8: U5.14@79.575,18.38 R32.2@83.058,18.38
NetR34_1: R34.1 U8.1 | length 2.3
  Top Layer w0.6: R34.1@37.465,7.645 U8.1@37.465,9.957
NetR37_1: R37.1 S3.2 U9.7 | length 32.4
  Top Layer w0.3: v1@25.603,37.744 25.603,33.299 26.772,32.131 34.341,32.131 36.678,34.468 R37.1@37.744,34.468 38.989,34.468 39.239,34.218 U9.7@40.956,34.218 ; v1(27.94,45.11) 29.926,45.11 S3.2@29.952,45.085
  Bottom Layer w0.3: v1(25.603,37.821) 25.603,44.018 26.695,45.11 v1(27.94,45.11)
NetR38_1: R38.1 U9.44 | length 3
  Top Layer w0.3: U9.44@44.386,38.648 44.386,41.236 R38.1@44.704,41.555
NEUTRAL: pad.2@33.528,4.699 U6.2 U7.2 U8.2 | length 36.9
  Top Layer w0.6: pad.2@33.528,4.699 33.528,11.836 34.468,12.776 39.954,12.776 ; U8.2@40.005,9.957 40.005,12.725 39.954,12.776 ; U7.2@47.295,9.957 47.295,12.751 47.32,12.776 ; U6.2@55.042,9.957 55.042,11.659 53.924,12.776 47.32,12.776 ; 39.954,12.776 47.32,12.776
  other v1: 32.995,3.518 34.061,3.518 32.995,4.674 34.061,4.674 32.995,5.829 34.061,5.829
RESET: IC5.6 R23.2 U4.2 | length 33.8
  Top Layer w0.4: IC5.6@79.157,26.822 79.832,26.822 80.213,27.203 v1(80.213,27.762) 80.213,31.204 R23.2@79.883,31.534
  Bottom Layer w0.4: U4.2@75.738,44.208 72.072,44.208 71.45,43.586 71.45,31.42 72.517,30.353 79.553,30.353 80.213,29.693 v1(80.213,27.762)
SIM_PPS: IC4.100 R26.2 | length 50
  Top Layer w0.4: IC4.100@61.425,59.828 v1(61.425,61.468) ; R26.2@89.243,38.507 89.293,38.557 v1(89.941,38.557)
  Bottom Layer w0.4: v1(61.425,61.468) 62.687,61.468 63.5,60.655 63.5,54.991 64.414,54.077 67.869,54.077 70.079,51.867 70.079,49.657 70.714,49.022 78.029,49.022 78.969,48.082 78.969,39.472 79.883,38.557 v1(89.941,38.557)
SIM_PULSE: D11.2 Q3.3 | length 2.1
  Top Layer w0.5: D11.2@87.516,44.551 87.516,43.686 Q3.3@88.372,42.83
SIM_RX: IC2.4 IC4.10 | length 9.2
  Top Layer w0.3: IC2.4@51.423,46.431 54.584,46.431 54.982,46.828 IC4.10@60.425,46.828
SIM_TX: IC2.5 IC4.9 | length 9.7
  Top Layer w0.3: IC2.5@51.451,49.531 53.289,49.531 54.991,47.828 IC4.9@60.425,47.828
STATUS: IC4.66 R21.2 | length 33.6
  Top Layer w0.4: IC4.66@66.425,59.828 66.425,67.086 67.386,68.047 85.623,68.047 86.335,67.335 86.335,63.017 86.894,62.458 R21.2@87.541,62.458
SWCLK: C39.1 U9.37 | length 29.1
  Top Layer w0.3: U9.37@47.886,38.648 v1(47.886,40.107)
  Bottom Layer w0.3: C39.1@39.294,51.486 39.294,49.479 37.541,47.727 37.541,37.846 38.303,37.084 47.193,37.084 47.886,37.777 v1(47.886,40.107)
SWDIO: C39.2 U9.34 | length 27
  Top Layer w0.3: v1(48.158,36.218) U9.34@49.316,36.218
  Bottom Layer w0.3: C39.2@36.728,51.486 36.728,37.744 37.973,36.5 47.876,36.5 v1(48.158,36.218)
V_USIM: C32.2 IC4.30 IC5.5 U4.1 | length 28.6
  Top Layer w0.4: IC4.30@76.425,35.828 76.425,34.439 C32.2@75.387,33.401 74.574,33.401 74.041,32.868 v1(74.041,31.14) 74.041,28.618 74.77,27.889 77.927,27.889 78.207,27.61 IC5.5@78.207,26.822
  Bottom Layer w0.4: v1(74.041,31.14) 73.279,31.14 72.39,32.029 72.39,40.919 73.139,41.668 U4.1@75.738,41.668
VBAT: C9.2 JP2.2 L1.2 R2.2 | length 15.5
  Top Layer w0.5: R2.2@13.716,18.618 14.909,18.618 16.053,19.761 L1.2@18.542,19.761 18.542,17.624 19.237,16.929 C9.2@20.004,16.929
  Top Layer w0.6: JP2.2@19.253,10.922 19.253,16.178 C9.2@20.004,16.929
VBUS: IC4.24 J1.1 R16.1 | length 30.7
  Top Layer w0.4: IC4.24@70.425,35.828 70.409,35.812 70.409,28.473 75.184,23.698 75.209,23.724 v1(83.693,23.724) ; v1(83.363,28.524) 83.384,28.545 J1.1@85.623,28.545
  Bottom Layer w0.4: v1(83.693,23.724) 82.855,24.562 82.855,28.016 v1(83.363,28.524) 83.744,28.524 R16.1@83.795,28.575
VIN: C2.1 C23.2 D1.1 pad.2@19.685,4.445 R1.1 R5.2 R16.2 U1.1 | length 139.2
  Top Layer w0.5: U1.1@6.981,25.222 6.981,25.904 8.463,27.386 R1.1@8.463,28.156 C2.1@10.372,28.156
  Top Layer w0.6: v1@4.978,25.222 U1.1@6.981,25.222 ; R5.2@21.921,29.972 22.911,29.972 v1(23.165,29.718) 23.495,29.388 23.495,22.987 24.892,21.59 D1.1@24.892,20.476 ; v1(81.94,26.187) C23.2@81.94,26.797
  Top Layer w1: pad.2@19.685,4.445 19.685,6.96 22.606,9.881 22.606,14.91 23.216,15.519 23.216,19.863 23.829,20.476 D1.1@24.892,20.476
  Bottom Layer w0.6: v1(4.953,25.248) 4.953,27.153 5.994,28.194 8.128,28.194 8.966,29.032 8.966,30.124 9.906,31.064 22.631,31.064 23.165,30.531 v1(23.165,29.718) ; v1(20.218,5.524) 19.685,6.058 19.685,7.003 21.318,8.636 30.505,8.636 39.243,17.374 56.845,17.374 58.318,18.847 58.318,22.708 59.36,23.749 81.305,23.749 81.94,24.384 v1(81.94,26.187) 81.979,26.226 R16.2@81.979,28.575
  other v1: 19.152,3.213 20.218,3.213 19.152,4.369 20.218,4.369 19.152,5.524
pads on no net: IC3.1 IC4.3 IC4.4 IC4.5 IC4.7 IC4.8 IC4.11 IC4.12 IC4.13 IC4.14 IC4.19 IC4.21 IC4.25 IC4.26 IC4.34 IC4.35 IC4.36 IC4.37 IC4.38 IC4.40 IC4.41 IC4.42 IC4.43 IC4.44 IC4.47 IC4.48 IC4.51 IC4.53 IC4.67 IC4.68 IC4.69 IC4.70 IC4.71 IC4.72 IC4.73 IC4.74 IC4.75 IC4.76 IC4.77 IC4.78 IC4.79 IC4.80 IC4.81 IC4.82 IC4.83 IC4.84 IC4.85 IC4.86 IC4.87 IC4.88 IC4.93 IC4.101 IC4.102 IC4.103 IC4.104 IC4.105 IC4.106 IC4.107 IC4.108 IC4.109 IC4.110 IC4.111 IC4.112 IC4.113 IC4.114 IC4.115 IC4.117 IC4.118 IC4.119 IC4.120 IC4.121 IC4.122 IC4.123 IC4.124 IC5.4 J1.4 SW1.3 SW1.4 U2.4 U3.4 U4.6 U5.5 U5.7 U5.13 U5.15 U5.16 U5.17 U5.18 U9.1 U9.2 U9.3 U9.4 U9.10 U9.11 U9.14 U9.18 U9.19 U9.20 U9.22 U9.25 U9.26 U9.27 U9.28 U9.29 U9.38 U9.46
copper on no net: | length 0.5
  Top Layer w0.3: v1(49.428,52.374) 49.974,52.374
  other v3: 2.489,2.515 90.5,2.515 2.489,68.529 90.5,68.529
  other v6: 74.981,13.208
  other v7: 74.955,20.65

## Polygon pours and split planes (outlines as drawn)
GND on Top Layer "Kyuubi" (solid, remove dead copper, pour order 8): 90.5,68.529 90.5,2.515 2.489,2.515 2.489,68.529
GND on Top Layer "Kyuubi" (solid, remove dead copper, pour order 7): 2.489,68.529 90.5,68.529 90.5,2.235 90.449,2.184 90.119,2.515 2.489,2.515 2.489,68.529 2.54,68.58
GND on Top Layer "TOP_GND" (solid, remove dead copper, shelved, pour order 4): 27.813,68.58 89.992,68.58 89.992,2.921 60.122,2.921 60.122,17.17 27.813,17.17
GND on Top Layer "POWER_TOP_GND" (solid, remove dead copper, shelved, pour order 0): 2.54,2.692 24.917,2.692 24.917,8.788 30.277,8.788 30.277,68.58 2.54,68.58
GND on Bottom Layer "Kyuubi" (solid, remove dead copper, pour order 9): 90.5,68.529 90.5,2.515 2.489,2.515 2.489,68.529
GND on Bottom Layer "BOT_GND" (solid, remove dead copper, shelved, pour order 6): 28.321,68.605 89.992,68.605 89.992,2.921 60.122,2.921 60.122,17.17 28.321,17.17
GND on Bottom Layer "POWER_BOT_GND" (solid, remove dead copper, shelved, pour order 2): 2.642,2.794 25.019,2.794 25.019,8.89 29.007,8.89 29.007,29.909 29.007,44.983 29.007,68.631 2.642,68.631

## Other copper
Top Layer:
  region net GND: 81.077,14.275 82.626,14.275 82.626,9.068 84.049,9.068 84.049,12.7 85.573,12.7 85.573,6.883 81.077,6.883
  region net NetC15_1: 12.675,59.36 17.323,59.36 29.235,59.36 29.235,62.865 12.675,62.865
  region net 3.8V: 31.217,62.103 31.217,59.258 42.418,59.258 42.418,60.833 33.325,60.833 32.512,61.646 32.512,62.103
  region net 5VDC: 13.259,35.916 18.364,35.916 18.364,39.141 19.075,39.853 20.015,39.853 20.015,41.529 21.819,41.529 21.819,43.307 23.038,43.307 23.038,44.45 17.551,44.45 17.551,40.488 16.535,39.472 13.208,39.472 13.208,35.89
  region net VBAT: 13.233,18.339 18.212,18.339 18.212,9.754 19.787,9.754 20.345,10.312 20.345,20.98 15.57,20.98 15.57,20.472 13.233,20.472
  region net VIN: 18.694,2.718 23.774,2.718 23.774,19.558 25.425,19.558 25.425,21.514 23.8,23.139 22.657,23.139 22.657,10.998 18.694,7.036 18.694,2.769 18.72,2.769
  region net VIN: 4.654,24.816 7.95,24.816 7.95,25.629 10.897,25.629 10.897,28.905 9.447,28.905 8.458,28.905 7.95,28.397 7.95,27.178 4.654,27.178
  region net NetC3_1: 11.608,24.79 15.113,24.79 15.113,27.508 19.304,27.508 19.304,31.42 20.041,32.156 20.041,33.579 18.847,33.579 18.847,28.931 11.608,28.931
  region net NetL1_1: 11.608,23.622 21.951,23.622 21.951,27.127 15.469,27.127 15.469,24.282 11.608,24.282
Multi-Layer:
  pour cut-out: 29.78,16.482 58.582,16.482 58.582,2.515 29.78,2.515

## Silkscreen, mask and mechanical layers (free items; w line width, h text height)
Top Overlay:
  text "L1 L2 L3" at 21.158,67.488 h2
  text "IMET. Rev 2.0" at 6.914,66.675 h2
  text "4G_ATN" at 61.468,65.837 h2
  text "BTN" at 55.905,65.655 h2
  text "RST" at 55.829,60.274 h2
  text "RST" at 31.648,41.453 h2
  text "PPS" at 73.33,8.179 h2
  text "ON/OFF" at 4.039,7.569 h2 r90
  text "BAT +" at 17.983,6.731 h2
  text "GPS ATN" at 89.154,5.791 h2 r90
  text "L3" at 51.613,3.199 h2
  text "N" at 30.378,3.175 h2
  text "L1" at 36.424,3.175 h2
  text "L2" at 43.917,3.175 h2
  text "GND" at 11.275,2.896 h2
  text "5V IN" at 21.514,2.896 h2
Bottom Overlay:
  text "MICRO SIM" at 84.379,52.578 h2
Mechanical 1:
  lines w0.1: 88.316,69.779 4.654,69.779 ccw(c2.489,68.529) 1.239,66.364 1.239,4.68 ccw(c2.489,2.515) 4.654,1.265 88.335,1.265 ccw(c90.5,2.515) 91.75,4.68 91.75,66.364 ccw(c90.5,68.529) 88.335,69.779

## Text inside footprints (layer, text, board x,y; h text height)
C14: Top Overlay "+" at 14.633,35.752 h0.89 r180